# Altium PCB node24.PcbDoc (part 8 of 10) (continued)
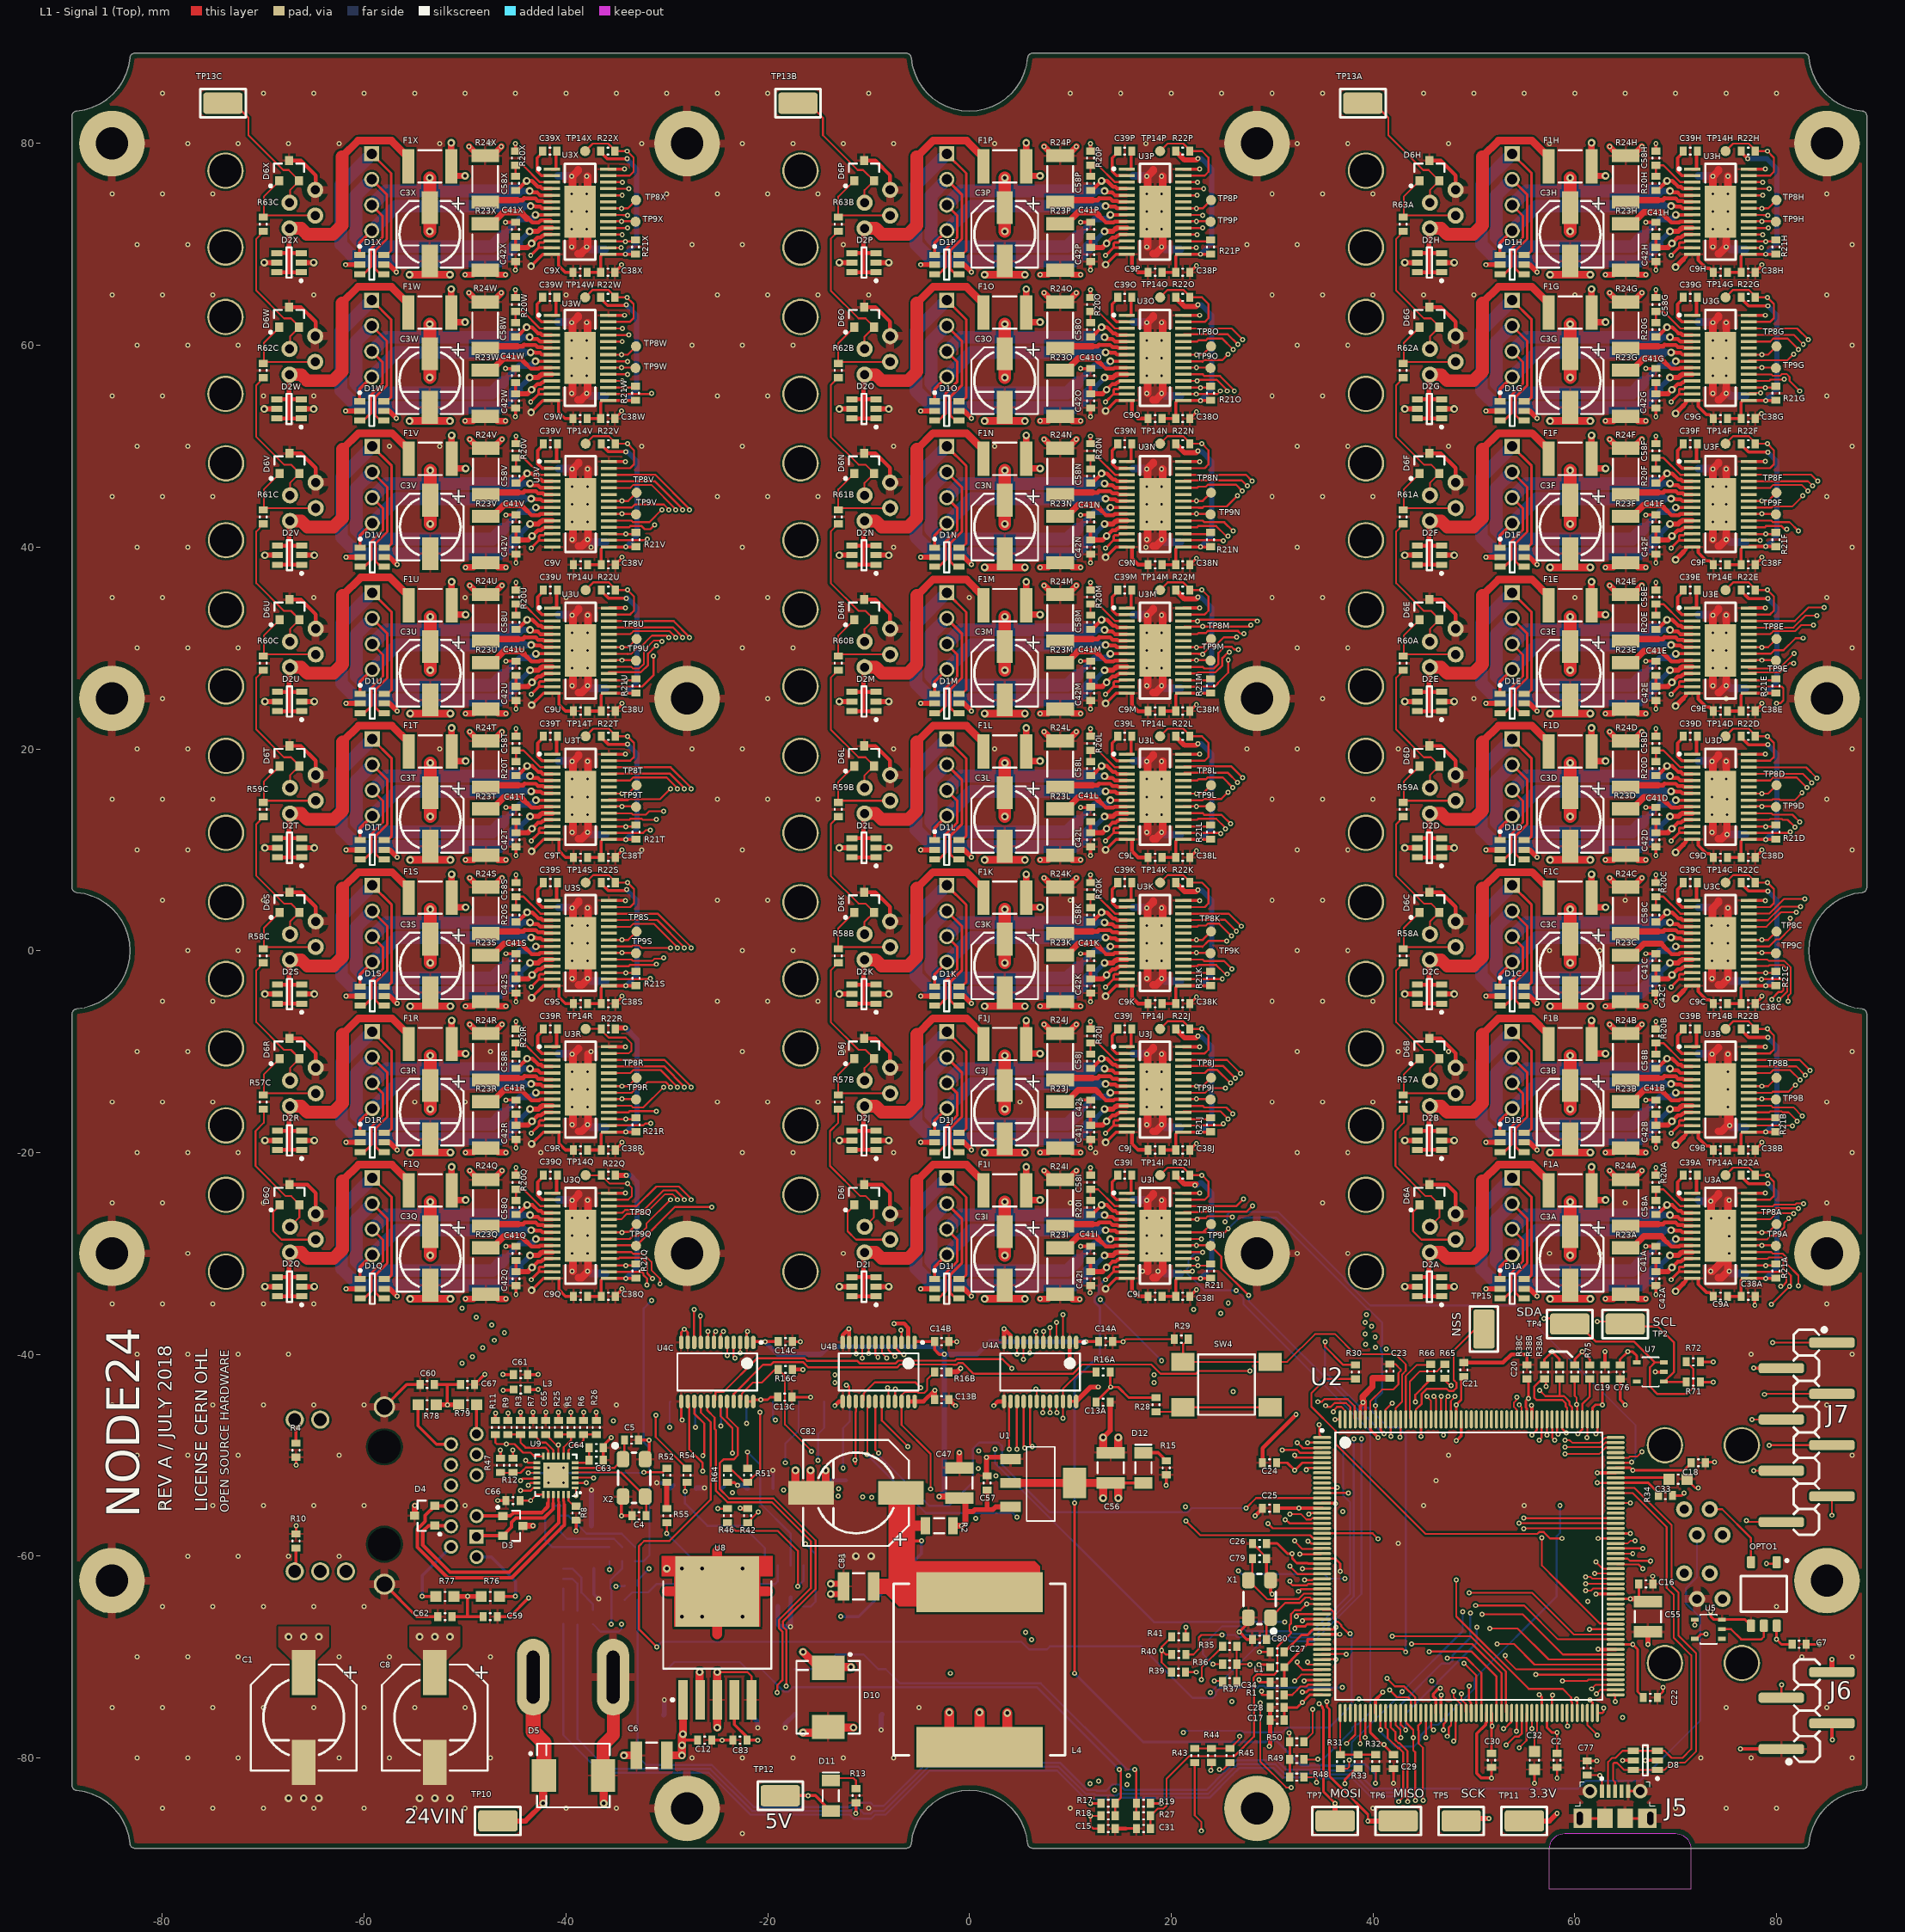
[diagram p0: L1 - Signal 1 (Top) view]
## Nets (pads, with @x,y where several pads share a name; then routed paths per layer and width w, separated by ;. In a path a pad name is that pad's centre, name@x,y a point inside that pad or via, vN(x,y) a via of type N, cw(c..) or ccw(c..) an arc to the next point about the centre after c; other vN are vias at no path point) (continued)
ISENAS: R24S.1 U3S.6 | length 6.9
  L1 - Signal 1 (Top) w0.381: -44.098,2.052 -42.996,2.052 -42.757,1.814 -42.27,1.814 -42.181,1.725 U3S.6@-41.35,1.725
  L1 - Signal 1 (Top) w0.457: -44.75,1.9 -44.25,1.9 -44.098,2.052
  L1 - Signal 1 (Top) w0.635: R24S.1@-47.95,1.7 -47.75,1.9 -44.75,1.9
ISENAT: R24T.1 U3T.6 | length 6.9
  L1 - Signal 1 (Top) w0.381: -44.098,16.552 -42.996,16.552 -42.757,16.314 -42.27,16.314 -42.181,16.225 U3T.6@-41.35,16.225
  L1 - Signal 1 (Top) w0.457: -44.75,16.4 -44.25,16.4 -44.098,16.552
  L1 - Signal 1 (Top) w0.635: R24T.1@-47.95,16.2 -47.75,16.4 -44.75,16.4
ISENAU: R24U.1 U3U.6 | length 6.9
  L1 - Signal 1 (Top) w0.381: -44.098,31.052 -42.996,31.052 -42.757,30.814 -42.27,30.814 -42.181,30.725 U3U.6@-41.35,30.725
  L1 - Signal 1 (Top) w0.457: -44.75,30.9 -44.25,30.9 -44.098,31.052
  L1 - Signal 1 (Top) w0.635: R24U.1@-47.95,30.7 -47.75,30.9 -44.75,30.9
ISENAV: R24V.1 U3V.6 | length 6.9
  L1 - Signal 1 (Top) w0.381: -44.098,45.552 -42.996,45.552 -42.757,45.314 -42.27,45.314 -42.181,45.225 U3V.6@-41.35,45.225
  L1 - Signal 1 (Top) w0.457: -44.75,45.4 -44.25,45.4 -44.098,45.552
  L1 - Signal 1 (Top) w0.635: R24V.1@-47.95,45.2 -47.75,45.4 -44.75,45.4
ISENAW: R24W.1 U3W.6 | length 6.9
  L1 - Signal 1 (Top) w0.381: -44.148,60.052 -43.046,60.052 -42.807,59.814 -42.32,59.814 -42.231,59.725 U3W.6@-41.4,59.725
  L1 - Signal 1 (Top) w0.457: -44.8,59.9 -44.3,59.9 -44.148,60.052
  L1 - Signal 1 (Top) w0.635: R24W.1@-48,59.7 -47.8,59.9 -44.8,59.9
ISENAX: R24X.1 U3X.6 | length 6.9
  L1 - Signal 1 (Top) w0.381: -44.148,74.552 -43.046,74.552 -42.807,74.314 -42.32,74.314 -42.231,74.225 U3X.6@-41.4,74.225
  L1 - Signal 1 (Top) w0.457: -44.8,74.4 -44.3,74.4 -44.148,74.552
  L1 - Signal 1 (Top) w0.635: R24X.1@-48,74.2 -47.8,74.4 -44.8,74.4
ISENBA: R23A.1 U3A.9 | length 7.5
  L1 - Signal 1 (Top) w0.381: 69.15,-28.9 69.577,-29.327 70.336,-29.327 70.438,-29.225 U3A.9@71.65,-29.225
  L1 - Signal 1 (Top) w0.457: 68.85,-28.6 69.15,-28.9
  L1 - Signal 1 (Top) w0.5: 68.55,-28.3 68.85,-28.6
  L1 - Signal 1 (Top) w0.635: R23A.1@65.05,-29.45 65.7,-29.45 66.85,-28.3 68.55,-28.3
ISENBB: R23B.1 U3B.9 | length 7.5
  L1 - Signal 1 (Top) w0.381: 69.15,-14.4 69.577,-14.827 70.336,-14.827 70.438,-14.725 U3B.9@71.65,-14.725
  L1 - Signal 1 (Top) w0.457: 68.85,-14.1 69.15,-14.4
  L1 - Signal 1 (Top) w0.5: 68.55,-13.8 68.85,-14.1
  L1 - Signal 1 (Top) w0.635: R23B.1@65.05,-14.95 65.7,-14.95 66.85,-13.8 68.55,-13.8
ISENBC: R23C.1 U3C.9 | length 7.5
  L1 - Signal 1 (Top) w0.381: 69.15,0.1 69.577,-0.327 70.336,-0.327 70.438,-0.225 U3C.9@71.65,-0.225
  L1 - Signal 1 (Top) w0.457: 68.85,0.4 69.15,0.1
  L1 - Signal 1 (Top) w0.5: 68.55,0.7 68.85,0.4
  L1 - Signal 1 (Top) w0.635: R23C.1@65.05,-0.45 65.7,-0.45 66.85,0.7 68.55,0.7
ISENBD: R23D.1 U3D.9 | length 7.5
  L1 - Signal 1 (Top) w0.381: 69.15,14.6 69.577,14.173 70.336,14.173 70.438,14.275 U3D.9@71.65,14.275
  L1 - Signal 1 (Top) w0.457: 68.85,14.9 69.15,14.6
  L1 - Signal 1 (Top) w0.5: 68.55,15.2 68.85,14.9
  L1 - Signal 1 (Top) w0.635: R23D.1@65.05,14.05 65.7,14.05 66.85,15.2 68.55,15.2
ISENBE: R23E.1 U3E.9 | length 7.5
  L1 - Signal 1 (Top) w0.381: 69.15,29.1 69.577,28.673 70.336,28.673 70.438,28.775 U3E.9@71.65,28.775
  L1 - Signal 1 (Top) w0.457: 68.85,29.4 69.15,29.1
  L1 - Signal 1 (Top) w0.5: 68.55,29.7 68.85,29.4
  L1 - Signal 1 (Top) w0.635: R23E.1@65.05,28.55 65.7,28.55 66.85,29.7 68.55,29.7
ISENBF: R23F.1 U3F.9 | length 7.5
  L1 - Signal 1 (Top) w0.381: 69.15,43.6 69.577,43.173 70.336,43.173 70.438,43.275 U3F.9@71.65,43.275
  L1 - Signal 1 (Top) w0.457: 68.85,43.9 69.15,43.6
  L1 - Signal 1 (Top) w0.5: 68.55,44.2 68.85,43.9
  L1 - Signal 1 (Top) w0.635: R23F.1@65.05,43.05 65.7,43.05 66.85,44.2 68.55,44.2
ISENBG: R23G.1 U3G.9 | length 7.5
  L1 - Signal 1 (Top) w0.381: 69.15,58.1 69.577,57.673 70.336,57.673 70.438,57.775 U3G.9@71.65,57.775
  L1 - Signal 1 (Top) w0.457: 68.85,58.4 69.15,58.1
  L1 - Signal 1 (Top) w0.5: 68.55,58.7 68.85,58.4
  L1 - Signal 1 (Top) w0.635: R23G.1@65.05,57.55 65.7,57.55 66.85,58.7 68.55,58.7
ISENBH: R23H.1 U3H.9 | length 7.5
  L1 - Signal 1 (Top) w0.381: 69.15,72.6 69.577,72.173 70.336,72.173 70.438,72.275 U3H.9@71.65,72.275
  L1 - Signal 1 (Top) w0.457: 68.85,72.9 69.15,72.6
  L1 - Signal 1 (Top) w0.5: 68.55,73.2 68.85,72.9
  L1 - Signal 1 (Top) w0.635: R23H.1@65.05,72.05 65.7,72.05 66.85,73.2 68.55,73.2
ISENBI: R23I.1 U3I.9 | length 7.5
  L1 - Signal 1 (Top) w0.381: 13.1,-28.9 13.527,-29.327 14.286,-29.327 14.388,-29.225 U3I.9@15.6,-29.225
  L1 - Signal 1 (Top) w0.457: 12.8,-28.6 13.1,-28.9
  L1 - Signal 1 (Top) w0.6: 12.5,-28.3 12.8,-28.6
  L1 - Signal 1 (Top) w0.635: R23I.1@9,-29.45 9.65,-29.45 10.8,-28.3 12.5,-28.3
ISENBJ: R23J.1 U3J.9 | length 7.5
  L1 - Signal 1 (Top) w0.381: 13.1,-14.4 13.527,-14.827 14.286,-14.827 14.388,-14.725 U3J.9@15.6,-14.725
  L1 - Signal 1 (Top) w0.457: 12.8,-14.1 13.1,-14.4
  L1 - Signal 1 (Top) w0.6: 12.5,-13.8 12.8,-14.1
  L1 - Signal 1 (Top) w0.635: R23J.1@9,-14.95 9.65,-14.95 10.8,-13.8 12.5,-13.8
ISENBK: R23K.1 U3K.9 | length 7.5
  L1 - Signal 1 (Top) w0.381: 13.1,0.1 13.527,-0.327 14.286,-0.327 14.388,-0.225 U3K.9@15.6,-0.225
  L1 - Signal 1 (Top) w0.457: 12.8,0.4 13.1,0.1
  L1 - Signal 1 (Top) w0.6: 12.5,0.7 12.8,0.4
  L1 - Signal 1 (Top) w0.635: R23K.1@9,-0.45 9.65,-0.45 10.8,0.7 12.5,0.7
ISENBL: R23L.1 U3L.9 | length 7.5
  L1 - Signal 1 (Top) w0.381: 13.1,14.6 13.527,14.173 14.286,14.173 14.388,14.275 U3L.9@15.6,14.275
  L1 - Signal 1 (Top) w0.457: 12.8,14.9 13.1,14.6
  L1 - Signal 1 (Top) w0.6: 12.5,15.2 12.8,14.9
  L1 - Signal 1 (Top) w0.635: R23L.1@9,14.05 9.65,14.05 10.8,15.2 12.5,15.2
ISENBM: R23M.1 U3M.9 | length 7.5
  L1 - Signal 1 (Top) w0.381: 13.1,29.1 13.527,28.673 14.286,28.673 14.388,28.775 U3M.9@15.6,28.775
  L1 - Signal 1 (Top) w0.457: 12.8,29.4 13.1,29.1
  L1 - Signal 1 (Top) w0.6: 12.5,29.7 12.8,29.4
  L1 - Signal 1 (Top) w0.635: R23M.1@9,28.55 9.65,28.55 10.8,29.7 12.5,29.7
ISENBN: R23N.1 U3N.9 | length 7.5
  L1 - Signal 1 (Top) w0.381: 13.1,43.6 13.527,43.173 14.286,43.173 14.388,43.275 U3N.9@15.6,43.275
  L1 - Signal 1 (Top) w0.457: 12.8,43.9 13.1,43.6
  L1 - Signal 1 (Top) w0.6: 12.5,44.2 12.8,43.9
  L1 - Signal 1 (Top) w0.635: R23N.1@9,43.05 9.65,43.05 10.8,44.2 12.5,44.2
ISENBO: R23O.1 U3O.9 | length 7.5
  L1 - Signal 1 (Top) w0.381: 13.1,58.1 13.527,57.673 14.286,57.673 14.388,57.775 U3O.9@15.6,57.775
  L1 - Signal 1 (Top) w0.457: 12.8,58.4 13.1,58.1
  L1 - Signal 1 (Top) w0.6: 12.5,58.7 12.8,58.4
  L1 - Signal 1 (Top) w0.635: R23O.1@9,57.55 9.65,57.55 10.8,58.7 12.5,58.7
ISENBP: R23P.1 U3P.9 | length 7.5
  L1 - Signal 1 (Top) w0.381: 13.1,72.6 13.527,72.173 14.286,72.173 14.388,72.275 U3P.9@15.6,72.275
  L1 - Signal 1 (Top) w0.457: 12.8,72.9 13.1,72.6
  L1 - Signal 1 (Top) w0.6: 12.5,73.2 12.8,72.9
  L1 - Signal 1 (Top) w0.635: R23P.1@9,72.05 9.65,72.05 10.8,73.2 12.5,73.2
ISENBQ: R23Q.1 U3Q.9 | length 7.5
  L1 - Signal 1 (Top) w0.381: -43.85,-28.9 -43.423,-29.327 -42.664,-29.327 -42.562,-29.225 U3Q.9@-41.35,-29.225
  L1 - Signal 1 (Top) w0.457: -44.45,-28.3 -43.85,-28.9
  L1 - Signal 1 (Top) w0.635: R23Q.1@-47.95,-29.45 -47.3,-29.45 -46.15,-28.3 -44.45,-28.3
ISENBR: R23R.1 U3R.9 | length 7.5
  L1 - Signal 1 (Top) w0.381: -43.85,-14.4 -43.423,-14.827 -42.664,-14.827 -42.562,-14.725 U3R.9@-41.35,-14.725
  L1 - Signal 1 (Top) w0.457: -44.45,-13.8 -43.85,-14.4
  L1 - Signal 1 (Top) w0.635: R23R.1@-47.95,-14.95 -47.3,-14.95 -46.15,-13.8 -44.45,-13.8
ISENBS: R23S.1 U3S.9 | length 7.5
  L1 - Signal 1 (Top) w0.381: -43.85,0.1 -43.423,-0.327 -42.664,-0.327 -42.562,-0.225 U3S.9@-41.35,-0.225
  L1 - Signal 1 (Top) w0.457: -44.45,0.7 -43.85,0.1
  L1 - Signal 1 (Top) w0.635: R23S.1@-47.95,-0.45 -47.3,-0.45 -46.15,0.7 -44.45,0.7
ISENBT: R23T.1 U3T.9 | length 7.5
  L1 - Signal 1 (Top) w0.381: -43.85,14.6 -43.423,14.173 -42.664,14.173 -42.562,14.275 U3T.9@-41.35,14.275
  L1 - Signal 1 (Top) w0.457: -44.15,14.9 -43.85,14.6
  L1 - Signal 1 (Top) w0.6: -44.45,15.2 -44.15,14.9
  L1 - Signal 1 (Top) w0.635: R23T.1@-47.95,14.05 -47.3,14.05 -46.15,15.2 -44.45,15.2
ISENBU: R23U.1 U3U.9 | length 7.5
  L1 - Signal 1 (Top) w0.381: -43.85,29.1 -43.423,28.673 -42.664,28.673 -42.562,28.775 U3U.9@-41.35,28.775
  L1 - Signal 1 (Top) w0.457: -44.15,29.4 -43.85,29.1
  L1 - Signal 1 (Top) w0.6: -44.45,29.7 -44.15,29.4
  L1 - Signal 1 (Top) w0.635: R23U.1@-47.95,28.55 -47.3,28.55 -46.15,29.7 -44.45,29.7
ISENBV: R23V.1 U3V.9 | length 7.5
  L1 - Signal 1 (Top) w0.381: -43.85,43.6 -43.423,43.173 -42.664,43.173 -42.562,43.275 U3V.9@-41.35,43.275
  L1 - Signal 1 (Top) w0.457: -44.45,44.2 -43.85,43.6
  L1 - Signal 1 (Top) w0.635: R23V.1@-47.95,43.05 -47.3,43.05 -46.15,44.2 -44.45,44.2
ISENBW: R23W.1 U3W.9 | length 7.5
  L1 - Signal 1 (Top) w0.381: -43.9,58.1 -43.473,57.673 -42.714,57.673 -42.612,57.775 U3W.9@-41.4,57.775
  L1 - Signal 1 (Top) w0.457: -44.5,58.7 -43.9,58.1
  L1 - Signal 1 (Top) w0.635: R23W.1@-48,57.55 -47.35,57.55 -46.2,58.7 -44.5,58.7
ISENBX: R23X.1 U3X.9 | length 7.7
  L1 - Signal 1 (Top) w0.381: -43.904,72.561 -43.724,72.561 -43.336,72.173 -42.714,72.173 -42.485,72.402 -41.527,72.402 U3X.9@-41.4,72.275
  L1 - Signal 1 (Top) w0.635: R23X.1@-48,72.05 -47.35,72.05 -46.2,73.2 -44.496,73.2 -43.904,72.608 -43.904,72.561
JTAG.NRST: R52.2 R55.1 | length 2.6
  L1 - Signal 1 (Top) w0.5: R55.1@-30,-55.3 R52.2@-30,-52.7
JTAG.TCK: R51.1 R64.2 U2.159 | length 100.8
  L1 - Signal 1 (Top) w0.203: R64.2@-24,-51.3 -23.7,-51.3 -22.3,-52.7 R51.1@-22,-52.7 -20.75,-51.45 v1(-20.75,-45.75) ; v1(61.214,-48.26) 61.25,-48.224 U2.159@61.25,-46.45
  L2 - Signal 2 w0.203: v1(-20.75,-45.75) -20.292,-45.291 -19.325,-45.291 -18.436,-44.402 -16.702,-44.402 -16.014,-43.714 -15.528,-43.714 -15.126,-44.116 11.58,-44.116 12.051,-44.587 16.267,-44.587 16.447,-44.767 26.383,-44.767 30.399,-40.752 40.638,-40.752 40.991,-40.398 47.979,-40.398 49.752,-42.171 49.752,-42.683 53.96,-46.891 58.756,-46.891 58.783,-46.865 60.39,-46.865 61.214,-47.689 v1(61.214,-48.26)
JTAG.TDI: R54.1 R75.1 U2.160 | length 110.1
  L1 - Signal 1 (Top) w0.2: U2.160@60.75,-46.45 60.75,-44.944 61.5,-44.194 R75.1@61.5,-42.45
  L1 - Signal 1 (Top) w0.203: v1(-31.1,-46.05) -31.1,-48.2 R54.1@-28,-51.3 ; v1(60.325,-47.879) 60.75,-47.454 U2.160@60.75,-46.45
  L2 - Signal 2 w0.203: v1(-31.1,-46.05) -28.808,-46.05 -28.722,-45.964 -28.278,-45.964 -28.192,-46.05 -21.208,-46.05 -20.972,-46.286 -20.528,-46.286 -19.992,-45.75 -19.241,-45.75 -18.277,-44.786 -15.528,-44.786 -15.242,-44.5 11.421,-44.5 11.892,-44.971 16.108,-44.971 16.288,-45.151 26.542,-45.151 30.558,-41.135 40.797,-41.135 41.15,-40.782 47.82,-40.782 49.368,-42.33 49.368,-42.842 53.801,-47.275 58.915,-47.275 58.942,-47.248 59.694,-47.248 v1(60.325,-47.879)
JTAG.TDO: R53.1 U2.192 | length 98.4
  L1 - Signal 1 (Top) w0.254: v1(44.75,-48.15) U2.192@44.75,-46.45
  L2 - Signal 2 w0.203: v1(-35.052,-62.992) -35.052,-52.252 -33.789,-50.989 -21.46,-50.989 -20.192,-49.721 -17.916,-49.721 -16.87,-48.675 -14.842,-48.675 -14.828,-48.689 -11.842,-48.689 -11.766,-48.613 -4.215,-48.613 -0.801,-52.027 1.902,-52.027 2.412,-51.516 2.856,-51.516 3.176,-51.836 17.597,-51.836 18.136,-52.374 31.824,-52.374 31.869,-52.419 32.819,-52.419 32.928,-52.311 40.589,-52.311 v1(44.75,-48.15)
  L6 - Signal 4 (Bot) w0.203: v1(-35.052,-62.992) -34.228,-62.992 R53.1@-34.163,-62.927
JTAG.TMS: R34.1 R46.1 U2.147 | length 111.5
  L1 - Signal 1 (Top) w0.203: v1(-24.964,-55.3) R46.1@-24,-55.3 ; v1(62.25,-52.75) U2.147@64.05,-52.75
  L1 - Signal 1 (Top) w0.254: U2.147@64.05,-52.75 67.3,-52.75 68.3,-53.75 R34.1@68.3,-54
  L2 - Signal 2 w0.203: v1(-24.964,-55.3) -18.796,-61.468 v1(26.67,-61.468) ; v1(37.211,-62.23) 47.567,-62.23 47.976,-61.821 48.62,-61.821 49.299,-62.5 56.54,-62.5 58.877,-64.837 60.941,-64.837 v1(61.277,-64.5)
  L5 - Signal 3 w0.203: v1(61.277,-64.5) 62.133,-64.5 62.75,-63.883 62.75,-58.583 62.861,-58.472 62.861,-57.861 62.25,-57.25 v1(62.25,-52.75)
  L6 - Signal 4 (Bot) w0.203: v1(26.67,-61.468) 26.988,-61.786 35.186,-61.786 35.63,-62.23 v1(37.211,-62.23)
LAN-MODE2: R3.1 R9.2 U9.11 | length 5.7
  L1 - Signal 1 (Top) w0.2: R9.2@-45.75,-47.95 R3.1@-44.5,-47.95 -44.5,-48.75 -44,-49.25 -42.038,-49.25 -41.75,-49.538 U9.11@-41.75,-50.1
LAN-nINT: R12.2 R47.1 U9.14 | length 4
  L1 - Signal 1 (Top) w0.2: R47.1@-46.5,-51.45 -46.2,-51.75 -44.5,-51.75 -44.284,-51.534 -44.284,-51.529 -43.971,-51.216 -42.934,-51.216 U9.14@-42.9,-51.25 U9.14@-42.934,-51.284
LAN-PHYAD0: R7.1 U9.10 | length 3.4
  L1 - Signal 1 (Top) w0.2: R7.1@-43.25,-47.95 -43,-47.95 -43,-48.146 -42.396,-48.75 -42,-48.75 -41.25,-49.5 U9.10@-41.25,-50.1
LAN-RXD0: R5.2 R25.1 U9.8 | length 3.7
  L1 - Signal 1 (Top) w0.2: R25.1@-40.75,-47.95 R5.2@-39.5,-47.95 -39.5,-48.5 -40.216,-49.216 -40.216,-50.066 U9.8@-40.25,-50.1
LAN-RXD1: R6.2 R26.1 U9.7 | length 4.3
  L1 - Signal 1 (Top) w0.2: U9.7@-39.75,-50.1 -39.75,-49.5 -39.25,-49 -38.75,-49 -38.25,-48.5 R6.2@-38.25,-47.95 R26.1@-37,-47.95
LED-5V-MOSI-0A: D6A.1 J1A.2 U4A.3 | length 58.1
  L1 - Signal 1 (Top) w0.18: v1(9.271,-36.068) 9.275,-36.072 U4A.3@9.275,-38.825 ; D6A.1@44.62,-25.2 44.62,-25.255 43.975,-25.9 43.975,-27.8 44.81,-28.635 J1A.2@48.19,-28.635
  L2 - Signal 2 w0.18: v1(9.271,-36.068) 9.288,-36.085 22.442,-36.085 22.459,-36.068 24.277,-36.068 24.675,-36.466 25.109,-36.466 25.507,-36.068 v1(39.37,-36.068)
  L5 - Signal 3 w0.18: v1(39.37,-36.068) 48.742,-36.068 49.235,-35.575 49.235,-29.68 J1A.2@48.19,-28.635
LED-5V-MOSI-0B: D6I.1 J1I.2 U4B.3 | length 18.1
  L1 - Signal 1 (Top) w0.18: D6I.1@-11.43,-25.2 -11.43,-25.255 -12.075,-25.9 -12.075,-27.8 -11.24,-28.635 J1I.2@-7.86,-28.635 ; v1(-6.807,-37.617) -6.725,-37.7 U4B.3@-6.725,-38.825
  L5 - Signal 3 w0.18: J1I.2@-7.86,-28.635 -6.815,-29.68 -6.815,-37.61 v1(-6.807,-37.617)
LED-5V-MOSI-0C: D6Q.1 J1Q.2 U4C.3 | length 61.5
  L1 - Signal 1 (Top) w0.18: D6Q.1@-68.38,-25.2 -68.38,-25.255 -69.025,-25.9 -69.025,-27.8 -68.19,-28.635 J1Q.2@-64.81,-28.635
  L1 - Signal 1 (Top) w0.203: v1(-22.733,-39.878) -22.733,-38.833 U4C.3@-22.725,-38.825
  L2 - Signal 2 w0.203: v1(-50.292,-40.894) -50.135,-41.051 -23.149,-41.051 -22.705,-40.608 -22.705,-40.164 -22.735,-40.134 v1(-22.733,-39.878) v1(-22.733,-39.878)
  L5 - Signal 3 w0.203: J1Q.2@-64.81,-28.635 -64.81,-31.558 -64.251,-32.116 -64.251,-37.476 -60.833,-40.894 v1(-50.292,-40.894)
LED-5V-MOSI-1A: D6B.1 J1B.2 R57A.2 U4A.4 | length 75.1
  L1 - Signal 1 (Top) w0.18: U4A.4@8.625,-38.825 8.636,-38.814 v1(8.636,-36.83) ; R57A.2@43.05,-14.3 43.05,-12.27 D6B.1@44.62,-10.7 ; R57A.2@43.215,-14.135 J1B.2@48.19,-14.135
  L2 - Signal 2 w0.18: v1(8.636,-36.83) v1(39.243,-36.83)
  L5 - Signal 3 w0.18: v1(39.243,-36.83) 39.243,-36.72 39.37,-36.593 49.071,-36.593 49.596,-36.068 49.596,-15.541 J1B.2@48.19,-14.135
LED-5V-MOSI-1B: D6J.1 J1J.2 R57B.2 U4B.4 | length 37.7
  L1 - Signal 1 (Top) w0.18: R57B.2@-13,-14.3 -13,-12.27 D6J.1@-11.43,-10.7 ; R57B.2@-12.835,-14.135 J1J.2@-7.86,-14.135 ; U4B.4@-7.375,-38.825 -7.221,-38.979 -7.221,-39.48 -6.67,-40.03 v1(-6.502,-40.03)
  L5 - Signal 3 w0.18: J1J.2@-7.86,-14.135 -6.454,-15.541 -6.454,-36.319 -6.125,-36.649 -6.125,-39.653 v1(-6.502,-40.03)
LED-5V-MOSI-1C: D6R.1 J1R.2 R57C.2 U4C.4 | length 77
  L1 - Signal 1 (Top) w0.18: R57C.2@-69.95,-14.3 -69.95,-12.27 D6R.1@-68.38,-10.7 ; R57C.2@-69.785,-14.135 J1R.2@-64.81,-14.135
  L1 - Signal 1 (Top) w0.203: U4C.4@-23.375,-38.825 -23.375,-40.252 v1(-23.241,-40.386)
  L2 - Signal 2 w0.203: v1(-49.276,-40.259) -24.888,-40.259 -24.479,-40.668 -23.523,-40.668 v1(-23.241,-40.386)
  L5 - Signal 3 w0.203: J1R.2@-64.81,-14.135 -64,-14.945 -64,-20.302 -63.25,-21.052 -63.25,-31.5 -63.868,-32.118 -63.868,-37.224 -60.833,-40.259 v1(-49.276,-40.259)
LED-5V-MOSI-2A: D6C.1 J1C.2 R58A.2 U4A.5 | length 90.5
  L1 - Signal 1 (Top) w0.18: U4A.5@7.975,-38.825 8.001,-38.799 v1(8.001,-37.338) ; R58A.2@43.05,0.2 43.05,2.23 D6C.1@44.62,3.8 ; R58A.2@43.215,0.365 J1C.2@48.19,0.365
  L2 - Signal 2 w0.18: v1(8.001,-37.338) 8.018,-37.355 39.734,-37.355 v1(39.878,-37.211)
  L5 - Signal 3 w0.18: v1(39.878,-37.211) 49.022,-37.211 49.957,-36.276 49.957,-35.575 49.957,-1.402 J1C.2@48.19,0.365
LED-5V-MOSI-2B: D6K.1 J1K.2 R58B.2 U4B.5 | length 54.2
  L1 - Signal 1 (Top) w0.18: R58B.2@-13,0.2 -13,2.23 D6K.1@-11.43,3.8 ; R58B.2@-12.835,0.365 J1K.2@-7.86,0.365 ; U4B.5@-8.025,-38.825 -8.025,-39.575 v1(-7.391,-40.208)
  L5 - Signal 3 w0.18: J1K.2@-7.86,0.365 -6.093,-1.402 -6.093,-35.763 -5.7,-36.157 -5.7,-39.97 -6.285,-40.555 -7.045,-40.555 v1(-7.391,-40.208)
LED-5V-MOSI-2C: D6S.1 J1S.2 R58C.2 U4C.5 | length 89.7
  L1 - Signal 1 (Top) w0.18: R58C.2@-69.95,0.2 -69.95,2.23 D6S.1@-68.38,3.8 ; R58C.2@-69.785,0.365 J1S.2@-64.81,0.365
  L1 - Signal 1 (Top) w0.203: U4C.5@-24.025,-38.825 -24.003,-38.847 v1(-24.003,-40.132)
  L2 - Signal 2 w0.203: v1(-48.26,-39.37) -48.255,-39.375 -25.463,-39.375 -25.458,-39.37 -24.765,-39.37 v1(-24.003,-40.132)
  L5 - Signal 3 w0.203: J1S.2@-64.81,0.365 -63.5,-0.945 -63.5,-20.259 -62.866,-20.893 -62.866,-31.659 -63.484,-32.277 -63.484,-36.846 -60.96,-39.37 v1(-48.26,-39.37)
LED-5V-MOSI-3A: D6D.1 J1D.2 R59A.2 U4A.6 | length 106.7
  L1 - Signal 1 (Top) w0.18: U4A.6@7.325,-38.825 7.366,-38.784 v1(7.366,-37.719) ; R59A.2@43.05,14.7 43.05,16.73 D6D.1@44.62,18.3 ; R59A.2@43.215,14.865 J1D.2@48.19,14.865
  L2 - Signal 2 w0.18: v1(7.366,-37.719) 7.62,-37.973 11.058,-37.973 11.166,-37.865 39.135,-37.865 v1(39.243,-37.973)
  L5 - Signal 3 w0.18: v1(39.243,-37.973) 39.466,-37.75 43.406,-37.75 43.628,-37.973 49.149,-37.973 50.317,-36.805 50.317,-35.575 50.317,12.738 J1D.2@48.19,14.865
LED-5V-MOSI-3B: D6L.1 J1L.2 R59B.2 U4B.6 | length 70.5
  L1 - Signal 1 (Top) w0.18: R59B.2@-13,14.7 -13,16.73 D6L.1@-11.43,18.3 ; R59B.2@-12.835,14.865 J1L.2@-7.86,14.865 ; U4B.6@-8.675,-38.825 -8.675,-39.89 v1(-8.204,-40.361)
  L5 - Signal 3 w0.18: v1(-8.204,-40.361) -7.649,-40.916 -6.136,-40.916 -5.175,-39.955 -5.175,-35.965 -5.733,-35.408 -5.733,12.738 J1L.2@-7.86,14.865
LED-5V-MOSI-3C: D6T.1 J1T.2 R59C.2 U4C.6 | length 103.7
  L1 - Signal 1 (Top) w0.18: R59C.2@-69.95,14.7 -69.95,16.73 D6T.1@-68.38,18.3 ; R59C.2@-69.785,14.865 J1T.2@-64.81,14.865
  L1 - Signal 1 (Top) w0.203: U4C.6@-24.675,-38.825 -24.675,-38.01 v1(-24.384,-37.719)
  L2 - Signal 2 w0.203: v1(-47.117,-38.608) -26.704,-38.608 -26.429,-38.884 -24.768,-38.884 -24.384,-38.5 v1(-24.384,-37.719)
  L5 - Signal 3 w0.203: J1T.2@-64.81,14.865 -63.116,13.171 -63.116,-20.101 -62.483,-20.734 -62.483,-31.818 -63.101,-32.435 -63.101,-36.594 -61.087,-38.608 v1(-47.117,-38.608)
LED-5V-MOSI-4A: D6E.1 J1E.2 R60A.2 U4A.7 | length 123.9
  L1 - Signal 1 (Top) w0.18: v1(6.604,-37.719) 6.604,-38.754 U4A.7@6.675,-38.825 ; R60A.2@43.05,29.2 43.05,31.23 D6E.1@44.62,32.8 ; R60A.2@43.215,29.365 J1E.2@48.19,29.365
  L2 - Signal 2 w0.18: v1(6.604,-37.719) 7.383,-38.498 11.043,-38.498 11.315,-38.225 15.467,-38.225 15.739,-38.498 34.761,-38.498 35.033,-38.225 35.467,-38.225 35.739,-38.498 39.46,-38.498 39.683,-38.275 v1(40.225,-38.275)
  L5 - Signal 3 w0.18: v1(40.225,-38.275) 40.225,-38.332 40.706,-38.332 40.859,-38.179 43.324,-38.179 43.753,-38.608 49.403,-38.608 50.678,-37.333 50.678,-35.575 50.678,26.877 J1E.2@48.19,29.365
LED-5V-MOSI-4B: D6M.1 J1M.2 R60B.2 U4B.7 | length 86.8
  L1 - Signal 1 (Top) w0.18: R60B.2@-13,29.2 -13,31.23 D6M.1@-11.43,32.8 ; R60B.2@-12.835,29.365 J1M.2@-7.86,29.365 ; U4B.7@-9.325,-38.825 -9.325,-40.053 v1(-9.073,-40.305)
  L5 - Signal 3 w0.18: v1(-9.073,-40.305) -7.978,-41.4 -6.11,-41.4 -4.75,-40.04 -4.75,-35.775 -5.372,-35.153 -5.372,-34.138 -5.372,26.877 J1M.2@-7.86,29.365
LED-5V-MOSI-4C: D6U.1 J1U.2 R60C.2 U4C.7 | length 116.4
  L1 - Signal 1 (Top) w0.18: R60C.2@-69.95,29.2 -69.95,31.23 D6U.1@-68.38,32.8 ; R60C.2@-69.785,29.365 J1U.2@-64.81,29.365
  L1 - Signal 1 (Top) w0.203: U4C.7@-25.325,-38.825 -25.325,-37.898 v1(-25.177,-37.75)
  L2 - Signal 2 w0.203: v1(-46.101,-37.846) -29.162,-37.846 -28.972,-38.036 -26.734,-38.036 -26.27,-38.5 -25.5,-38.5 -25.177,-38.177 v1(-25.177,-37.75) v1@-25.177,-37.688
  L5 - Signal 3 w0.203: J1U.2@-64.81,29.365 -62.733,27.288 -62.733,-19.942 -62.099,-20.575 -62.099,-31.977 -62.717,-32.594 -62.717,-36.216 -61.087,-37.846 v1(-46.101,-37.846)
LED-5V-MOSI-5A: D6F.1 J1F.2 R61A.2 U4A.8 | length 140.9
  L1 - Signal 1 (Top) w0.18: v1(5.969,-39.878) 6.025,-39.822 U4A.8@6.025,-38.825 ; R61A.2@43.05,43.7 43.05,45.73 D6F.1@44.62,47.3 ; R61A.2@43.215,43.865 J1F.2@48.19,43.865
  L2 - Signal 2 w0.18: v1(5.969,-39.878) 6.82,-39.027 11.068,-39.027 11.315,-39.275 15.467,-39.275 15.715,-39.027 34.785,-39.027 35.033,-39.275 35.467,-39.275 35.715,-39.027 v1(39.252,-39.027)
  L5 - Signal 3 w0.18: v1(39.252,-39.027) 39.252,-39.067 39.25,-39.069 39.768,-39.069 40.035,-38.802 40.746,-38.802 41.009,-38.539 43.174,-38.539 43.878,-39.243 49.53,-39.243 52.058,-36.715 52.058,-35.575 52.058,39.997 J1F.2@48.19,43.865
LED-5V-MOSI-5B: D6N.1 J1N.2 R61B.2 U4B.8 | length 104.2
  L1 - Signal 1 (Top) w0.18: R61B.2@-13,43.7 -13,45.73 D6N.1@-11.43,47.3 ; R61B.2@-12.835,43.865 J1N.2@-7.86,43.865 ; v1(-9.982,-39.929) -9.982,-38.832 U4B.8@-9.975,-38.825
  L5 - Signal 3 w0.18: v1(-9.982,-39.929) -9.982,-40.75 -9.078,-41.654 -9.021,-41.654 -8.914,-41.761 -5.077,-41.761 -3.992,-40.676 -3.992,-35.484 -3.992,39.997 J1N.2@-7.86,43.865
LED-5V-MOSI-5C: D6V.1 J1V.2 R61C.2 U4C.8 | length 128.8
  L1 - Signal 1 (Top) w0.18: R61C.2@-69.95,43.7 -69.95,45.73 D6V.1@-68.38,47.3 ; R61C.2@-69.785,43.865 J1V.2@-64.81,43.865
  L1 - Signal 1 (Top) w0.203: U4C.8@-25.975,-38.825 -25.908,-38.758 v1(-25.908,-37.719)
  L2 - Signal 2 w0.203: v1(-47.371,-37.084) -47.251,-36.964 -26.663,-36.964 v1(-25.908,-37.719)
  L5 - Signal 3 w0.203: J1V.2@-64.81,43.865 -62.349,41.404 -62.349,-19.783 -61.716,-20.416 -61.716,-32.135 -62.334,-32.753 -62.334,-35.725 -60.975,-37.084 v1(-47.371,-37.084)
LED-5V-MOSI-6A: D6G.1 J1G.2 R62A.2 U4A.9 | length 158
  L1 - Signal 1 (Top) w0.18: v1(5.334,-40.513) 5.334,-38.866 U4A.9@5.375,-38.825 ; R62A.2@43.05,58.2 43.05,60.23 D6G.1@44.62,61.8 ; R62A.2@43.215,58.365 J1G.2@48.19,58.365
  L2 - Signal 2 w0.18: v1(5.334,-40.513) 6.477,-40.513 7.386,-39.604 11.135,-39.604 11.281,-39.75 15.502,-39.75 15.748,-39.996 18.442,-39.996 18.803,-39.635 39.944,-39.635 v1(40.252,-39.327)
  L5 - Signal 3 w0.18: v1(40.252,-39.327) 40.321,-39.258 40.8,-39.258 41.158,-38.9 43.025,-38.9 44.13,-40.005 49.784,-40.005 52.419,-37.37 52.419,-35.575 52.419,54.136 J1G.2@48.19,58.365
LED-5V-MOSI-6B: D6O.1 J1O.2 R62B.2 U4B.9 | length 120.5
  L1 - Signal 1 (Top) w0.18: R62B.2@-13,58.2 -13,60.23 D6O.1@-11.43,61.8 ; R62B.2@-12.835,58.365 J1O.2@-7.86,58.365 ; v1(-10.625,-40.386) U4B.9@-10.625,-38.825
  L5 - Signal 3 w0.18: v1(-10.625,-40.386) -10.625,-40.251 -10.668,-40.208 -10.668,-40.513 -10.343,-40.838 -10.343,-40.9 -9.121,-42.121 -4.927,-42.121 -3.631,-40.825 -3.631,-35.331 -3.631,54.136 J1O.2@-7.86,58.365
LED-5V-MOSI-6C: D6W.1 J1W.2 R62C.2 U4C.9 | length 142
  L1 - Signal 1 (Top) w0.18: R62C.2@-69.95,58.2 -69.95,60.23 D6W.1@-68.38,61.8 ; R62C.2@-69.785,58.365 J1W.2@-64.81,58.365
  L1 - Signal 1 (Top) w0.203: v1(-26.67,-36.195) -26.67,-38.78 U4C.9@-26.625,-38.825
  L2 - Signal 2 w0.203: v1(-48.895,-36.322) -26.67,-36.322 v1(-26.67,-36.195)
  L5 - Signal 3 w0.203: J1W.2@-64.86,58.365 -61,54.505 -61,42.25 -61,-35.052 -61,-35.266 -59.944,-36.322 v1(-48.895,-36.322)
LED-5V-MOSI-7A: D6H.1 J1H.2 R63A.2 U4A.10 | length 174.2
  L1 - Signal 1 (Top) w0.18: v1(4.699,-40.005) 4.699,-38.851 U4A.10@4.725,-38.825 ; D6H.1@44.62,76.3 43.05,74.73 43.05,72.7 43.215,72.865 J1H.2@48.19,72.865
  L2 - Signal 2 w0.18: v1(4.699,-40.005) 4.699,-40.62 5.117,-41.038 17.911,-41.038 18.952,-39.996 40.325,-39.996 40.678,-39.642 41.158,-39.642 v1(41.325,-39.475)
  L5 - Signal 3 w0.18: v1(41.325,-39.475) 43,-39.475 44.055,-40.53 49.894,-40.53 52.779,-37.645 52.779,-35.575 52.779,68.275 J1H.2@48.19,72.865
LED-5V-MOSI-7B: D6P.1 J1P.2 R63B.2 U4B.10 | length 136.5
  L1 - Signal 1 (Top) w0.18: D6P.1@-11.43,76.3 -13,74.73 R63B.2@-13,72.7 -12.835,72.865 J1P.2@-7.86,72.865 ; U4B.10@-11.275,-38.825 -11.275,-39.826 -11.404,-39.954 v1(-11.227,-39.954)
  L5 - Signal 3 w0.18: v1(-11.227,-39.954) -11.227,-40.488 -11.246,-40.507 -9.271,-42.482 -4.778,-42.482 -3.271,-40.975 -3.271,-34.575 -3.271,68.275 J1P.2@-7.86,72.865
LED-5V-MOSI-7C: D6X.1 J1X.2 R63C.2 U4C.10 | length 155.8
  L1 - Signal 1 (Top) w0.18: D6X.1@-68.38,76.3 -69.95,74.73 -69.95,72.7 -69.785,72.865 J1X.2@-64.81,72.865
  L1 - Signal 1 (Top) w0.203: v1(-27.305,-35.56) -27.305,-38.795 U4C.10@-27.275,-38.825
  L2 - Signal 2 w0.203: v1(-50.292,-35.433) -46.1,-35.433 -45.973,-35.56 v1(-27.305,-35.56)
  L5 - Signal 3 w0.203: J1X.2@-64.86,72.865 -60.5,68.505 -60.5,42.807 -60.5,-34.798 -59.738,-35.56 -59.611,-35.433 v1(-50.292,-35.433)
LED-B-R: LED1.6 R68.1 | length 11
  L6 - Signal 4 (Bot) w0.203: LED1.6@-40.525,-55 -41.03,-55 -42.037,-56.007 -42.037,-58.42 -41.34,-59.117 R68.1@-35.687,-59.117
LED-BANKA-MOSI-0: U2.154 U4A.21 | length 62.6
  L1 - Signal 1 (Top) w0.18: U4A.21@8.625,-44.675 8.625,-45.762 v1(8.663,-45.8) ; v1(59.025,-49.888) 62.422,-49.888 63.06,-49.25 U2.154@64.05,-49.25
  L2 - Signal 2 w0.18: v1(8.663,-45.8) 8.689,-45.825 9.492,-45.825 9.988,-46.321 12.088,-46.321 12.345,-46.064 15.655,-46.064 15.835,-46.244 27.956,-46.244 31.971,-42.229 41.25,-42.229 41.603,-41.875 47.367,-41.875 48.275,-42.783 48.275,-43.295 54.868,-49.888 v1(59.025,-49.888)
LED-BANKA-MOSI-1: U2.155 U4A.20 | length 63.7
  L1 - Signal 1 (Top) w0.18: v1(7.975,-45.8) U4A.20@7.975,-44.675 ; v1(59.025,-49.2) 62.6,-49.2 63.05,-48.75 U2.155@64.05,-48.75
  L2 - Signal 2 w0.18: v1(7.975,-45.8) 7.975,-45.747 8.446,-45.275 9.6,-45.275 10.286,-45.961 11.938,-45.961 12.195,-45.704 15.805,-45.704 15.984,-45.883 27.807,-45.883 31.822,-41.868 41.1,-41.868 41.454,-41.514 47.516,-41.514 48.635,-42.633 48.635,-43.145 55.018,-49.528 58.644,-49.528 58.972,-49.2 v1(59.025,-49.2)
LED-BANKA-MOSI-2: U2.156 U4A.19 | length 64.8
  L1 - Signal 1 (Top) w0.18: v1(7.287,-45.8) 7.325,-45.762 U4A.19@7.325,-44.675 ; v1(59.025,-48.512) 59.5,-48.512 59.773,-48.785 62.49,-48.785 62.575,-48.7 62.59,-48.7 63.04,-48.25 U2.156@64.05,-48.25
  L2 - Signal 2 w0.18: v1(7.287,-45.8) 7.287,-45.728 8.101,-44.914 10.239,-44.914 10.925,-45.6 11.789,-45.6 12.046,-45.343 15.954,-45.343 16.134,-45.523 27.657,-45.523 31.673,-41.507 40.951,-41.507 41.304,-41.154 47.666,-41.154 48.996,-42.484 48.996,-42.996 55.167,-49.167 58.099,-49.167 58.525,-48.742 58.525,-48.725 58.725,-48.525 59.012,-48.525 v1(59.025,-48.512)